# KiCad board AMLDC-2044B.kicad_pcb (continued)
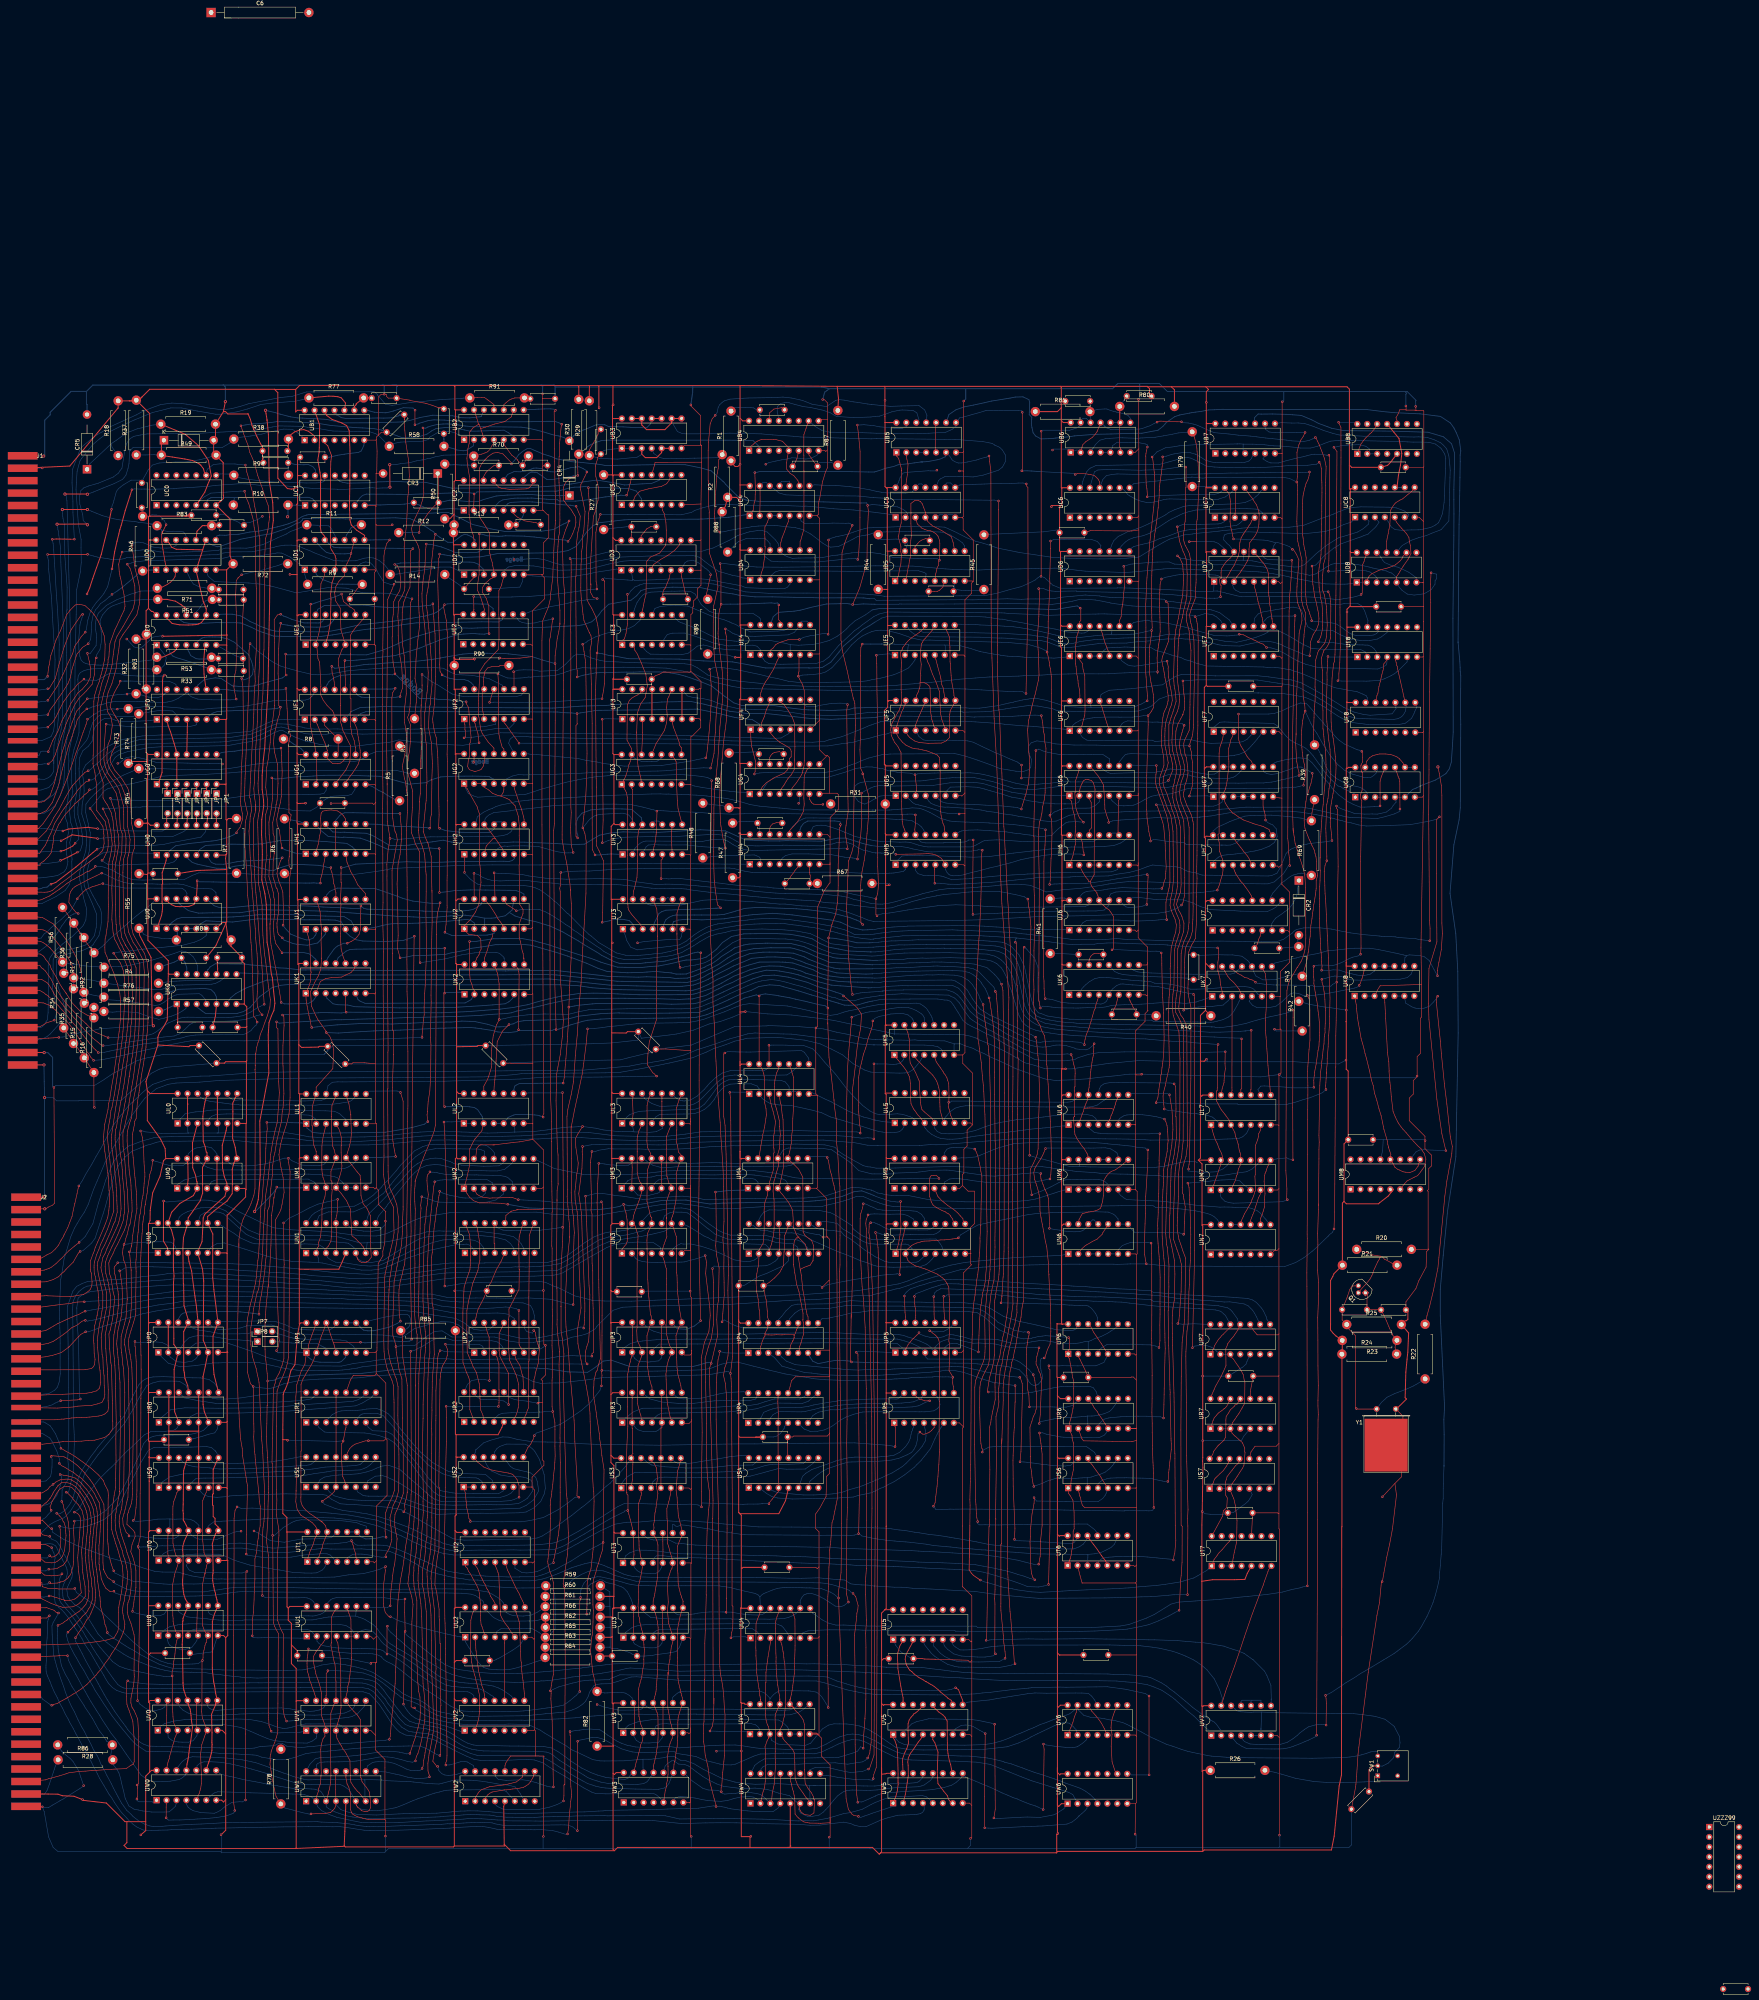
[diagram p0: board, top side]
## Routing (per net, layer and track width the routed paths; a pad name or vN(x,y) marks a point on that pad's centre or on a via; arc(x,y) is an arc through that point) (continued)
V0p1: length 52.8
  Bottom w0.15: UV0.1 110.25,66.46 112.06,67.59 113.47,67.97 113.9,68.09 114.47,68.24 117.16,68.59 118.49,68.59 125.5,68.53 130.39,68.75 133.49,68.67 136.73,68.1 138.26,67.61 140.83,66.65 142.06,66.4 142.57,66.31 143.52,66.44 144.75,66.72 146.89,67.29 148,67.49 149.38,67.48 155.12,67.52 156.49,67.44 157.37,66.76 UV1.5 UV1.6
V0p4: length 36.8
  Bottom w0.15: 150.71,65.8 150.8,64.83 150.84,64.34 ; 150.84,64.34 150.85,64.35 ; 150.84,64.34 150.72,63.84 149.82,63.17 149.63,63.07 148.43,62.6 147.52,62.62 144.81,62.67 143.89,62.73 142.96,62.88 139.97,63.24 138.34,63.73 135.99,64.72 133.97,65.61 131.53,66.57 129.71,66.92 126.69,67.37 125.59,67.34 121.91,67.36 121.37,67.39 119.42,67.38 118.08,66.79 UV0.4
V0p9: length 168.8
  Top w0.15: 153.84,81.16 153.79,81.1 v1(153.72,81.1) 153.72,81.03 153.65,80.97 153.65,80.75 153.3,80.4 153.3,74.86 153.25,74.81 UV1.12
  Bottom w0.15: v1(153.72,81.1) 155.28,81.1 ; UV4.8 275.75,71.71 275.61,71.54 275.45,71.36 274.18,70.55 271.86,69.83 269.38,69.78 267.98,69.79 266.79,69.78 255.94,69.91 254.61,69.92 247.99,69.98 247.97,70.01 239.66,69.92 237.42,69.93 229.08,70.02 226.43,69.91 221.93,69.54 219.32,69.38 217.07,69.06 215.32,68.96 212.67,68.77 210.91,68.71 206.41,68.53 204.04,68.42 203.25,68.46 192.49,68.38 190.15,68.38 188.43,68.46 187.36,68.49 184.48,68.94 183.53,69.15 181.72,69.67 180.17,70.46 179.4,70.9 177.96,71.89 176.63,72.61 175.18,73.22 173.61,73.66 172.38,74.33 171.54,75.01 171.54,75.03 170.71,75.56 170.2,75.98 169.54,76.57 168.5,77.39 167.74,78 166.62,78.77 165.98,79.19 164.85,79.78 162.78,80.5 161.31,80.71 158.78,80.95 157.49,81.02 155.34,81.11 ; UV0.9 122.95,72.24 123.01,72.04 123.18,71.78 123.41,71.51 123.69,71.35 124.3,71.08 125.04,70.98 125.55,70.98 126.47,71.05 129.64,71.32 131.7,71.46 132.75,71.49 139.66,71.54 141.97,71.58 143.14,71.46 144.19,71.34 144.7,71.21 146.56,70.92 147.72,70.84 149.08,70.71 150.19,70.77 151.59,71.07 152.6,71.59 152.94,72.05 UV1.12
V0p12: length 49.1
  Bottom w0.15: UV0.12 115.77,71.94 116.68,71.03 118.02,70.26 120.39,69.72 122.14,69.62 124.33,69.66 125.47,69.72 126.24,69.7 129.35,69.93 130.19,69.9 131.03,70.02 132.14,70.05 137.12,70.24 138.83,70.22 140.57,70.17 143.26,69.93 144.49,69.86 150.29,69.72 152.74,69.86 155.64,70.01 158.03,70.28 159.34,70.84 160.15,71.47 160.5,71.97 UV1.9
V3p1: length 48.4
  Bottom w0.15: UV4.6 UV4.5 271.38,66.21 271.22,66.64 271.06,66.83 270.04,67.77 269.75,68.03 268.86,68.51 260.78,68.64 237.39,68.65 236.31,68.56 233.01,68.04 232.56,67.92 230.51,67.16 229.2,65.86 UV3.1
V3p4: length 30.5
  Bottom w0.15: 260.57,67.58 259.33,67.5 241.55,67.44 240.3,67.55 238.55,67.46 237.6,67.04 UV3.4 ; 260.31,67.57 261.32,67.55 261.92,67.55 262.98,67.28 263.78,66.58 264,66.11 UV4.2
V3p9: length 193.2
  Top w0.15: 281.56,71.61 281.56,71.66 v1(281.58,71.67) 281.56,71.69 281.56,76.47 281.36,81.67 281.37,83.38 281.42,84.87 281.36,90.43 281.32,92.7 281.47,100.06 281.67,102.69 281.75,107.56 281.97,109.86 281.94,111.88 282.11,113.36 282.22,114.06 282.54,118.9 282.81,119.67 283.22,121.71 283.57,123.42 284.01,125.59 283.87,128.61 283.97,133.93 283.81,180.96 283.44,203.27 283.21,204.08 283.04,205.03 282.85,205.64 282.39,207.83 282.12,208.57 281.61,211.37 v1(281.31,212.18)
  Bottom w0.15: 243.55,75.64 243,75.33 242.46,74.87 242.25,74.69 241.98,74.44 241.84,74.27 241.71,73.63 241.9,72.84 ; 243.55,75.64 244.21,75.79 245.1,75.86 246.54,75.84 253.2,75.87 255.63,75.84 261.18,75.77 262.59,75.74 264.38,75.82 265.41,75.35 266.75,74.02 ; 243.55,75.64 243.43,75.61 ; UV4.12 266.66,73.93 266.75,74.02 ; 266.75,74.02 267.64,75.03 268.24,75.47 269.02,75.93 270.77,75.96 272.58,75.94 272.83,75.96 276.55,75.92 276.56,75.93 277.07,75.88 278.47,75.63 278.92,75.38 279.86,74.5 280.39,73.7 280.92,72.87 281.32,72.23 v1(281.58,71.67) ; UM4.8 276.4,211.92 276.98,212.51 277.04,212.45 280.77,212.45 v1(281.31,212.18)
V3p12: length 54.3
  Bottom w0.15: 222.49,72.39 v1(222.52,72.46) 224.24,71.83 228.06,71.02 232.49,71.05 233.73,71.23 234.15,71.51 234.28,72.12 UV3.12 235.14,71.97 235.65,71.6 236.76,71.15 240.07,71.24 244.36,71.25 251.3,71.29 253.2,71.31 260.86,71.19 262.92,71.12 265.56,71.09 268.87,71 269.62,70.98 271.77,71.08 273.06,71.55 273.48,71.9 UV4.9
V5p4: length 18.8
  Top w0.2: UW5.2 301.28,49.52 301.48,50.67 301.75,52.47 302.03,54.22 301.99,56.92 301.9,57.74 302.02,58.77 302.28,59.38 302.56,59.98 303.12,60.69 304.59,62.88 305.23,63.65 UV5.4
V5p7: length 63.1
  Top w0.15: v1(321.56,40.95) 321.49,49.03 321.51,52.14 v1(321.69,65.02)
  Bottom w0.15: v1(321.56,40.95) 322.49,40.89 323.45,40.86 331.35,41.24 331.76,41.23 333.4,41.29 335.16,41.4 336.43,41.43 337.57,41.52 342.57,41.92 343.85,42.43 345.07,43.36 345.45,43.78 345.66,43.99 345.58,43.92 346.39,44.63 347.18,45.32 347.67,45.91 UW6.3 ; UV5.7 314.11,66.28 315.58,67.13 316.71,67.21 317.74,67.13 318.6,66.83 320.29,65.86 320.89,65.55 v1(321.69,65.02)
V5p12: length 19.3
  Top w0.2: UW5.10 313.03,56.07 312.86,57.1 312.52,58.09 312.29,59.29 312.18,59.89 312.09,60.76 312,62.81 311.96,68.24 311.48,69.03 311.41,69.23 310.86,69.81 309.79,70.56 308.68,71.64 308.32,71.88 UV5.12
V5p13: length 19.3
  Top w0.2: UW5.15 300.61,57.1 300.54,58.54 301.14,60.21 301.66,61.23 301.89,61.93 302.06,62.61 301.96,65.92 301.97,67.53 302.25,68.51 302.73,69.2 303.21,69.71 303.46,70.08 303.88,70.31 304.31,70.65 305.13,71.43 UV5.13
V6p9: length 18.2
  Top w0.15: UV6.9 354.71,70.58 354.48,69.93 354.08,68.7 353.92,67.8 353.82,66.5 354.08,64.79 353.87,61.81 354.1,57.8 354.45,56.72 354.94,55.24 UW6.9
V6p12: length 9.2
  Top w0.15: UV6.12 348.64,71.21 348.92,70.74 350.02,69.5 350.72,68.62 351.39,67.66 352.08,66.39 UV6.5
V7p3: length 243.5
  Top w0.15: v1(407.69,257.66) 407.77,256.78 408.02,255.99 408.28,254.43 408.4,253.7 408.47,252.59 408.58,250.15 408.62,249.66 408.57,246.41 408.5,245.04 408.52,244.09 408.32,243.02 408.24,241.16 408.04,239.86 407.89,238.18 407.68,236.72 407.59,235.55 407.39,234 407.27,232.17 407.17,230.54 406.96,217.82 407.02,216.08 406.96,214.17 406.95,211.8 406.84,199.91 ; 406.45,64.47 v1(406.36,64.6) 406.63,119.7 406.54,129.07 406.63,133.91 406.73,145.15 406.79,146.58 406.7,148.7 406.7,150.15 406.79,153.84 406.7,158.91 406.68,165.53 406.64,171.22 406.89,177.31 406.85,180.25 406.6,183.42 406.58,185.92 406.69,189.99 406.63,192.69 406.82,198.98 406.84,200.3
  Bottom w0.15: 414.49,257.74 415.33,257.51 417.51,257.44 418.56,257.47 421,257.56 421.5,257.6 427.7,257.7 429.56,258.12 430.49,258.96 UK8.8 ; UV7.3 385.16,63.57 385.96,62.61 387.32,61.75 388.53,61.18 394.93,61.1 395.69,61.1 396.7,61.1 397.98,61.15 399.38,61.44 400.43,61.8 402.19,62.47 403.4,63 404.24,63.34 406.05,64.23 v1(406.36,64.6) ; 414.53,257.73 412.7,258.36 411.01,258.52 409.53,258.19 408.68,257.93 v1(407.69,257.66)
V7p11: length 9.2
  Bottom w0.15: 389.85,73.54 392.14,73.54 UV7.9 ; 389.85,73.54 389.6,73.29 UV7.10 ; 389.85,73.54 387.31,73.54 387.06,73.29 UV7.11
V7p12: length 73.8
  Top w0.25: SW1.2 420.76,56.78 419.74,55.76 C21.1
  Bottom w0.15: SW1.2 423.16,56.72 424.66,57.48 426.05,58.86 426.32,60.2 427.52,61.53 427.67,62.65 427.49,64.36 426.17,66.89 423.88,68.66 421.34,69.41 418.01,69.88 415.87,70.11 396.49,70.34 395.98,70.38 395,70.42 392.32,70.52 ; 392.32,70.52 392.14,65.92 392.14,66.43 ; 392.32,70.52 390.2,70.52 389.63,70.44 386.96,70.58 385.95,70.86 385.51,71.3 UV7.12 ; UV7.5 UV7.6 392.14,65.83
(no net): length 27.5
  Bottom w0.15: 123.59,312.75 120.32,312.81 117.86,312.89 109.8,313.09 107.33,313.84 105.49,314.25 103.65,314.54 102.18,314.28 100.33,312.81 v1(100.05,312.81) ; v1(126.79,312.65) 125.81,312.81 123.52,312.75
/C14p2: length 33.9
  Top w0.15: C14.2 222.79,397.46 222.79,396.95 222.08,395.54 220.62,393.03 R29.1
  Top w0.25: UB3.6 UB3.5 239,392.17 237.73,390.9 234.83,390.9 233.92,391.81 UB3.3
  Bottom w0.15: R29.1 223.14,390.72 226.12,390.58 227.71,390.52 232.71,391.01 233.71,391.58 234.01,392.08 UB3.3
/C29p1: length 7.5
  Bottom w0.2: C29.1 189.64,389.01 188.5,389 187.84,389 186.26,389.11 185.77,389.09 185.07,389.05 R50.2
/C47p1: length 7.9
  Bottom w0.15: C47.1 R43.2 401.55,267.5 CR2.2
/E0p4: length 10.6
  Bottom w0.2: 117.56,343.05 117.87,341.92 118.28,341.19 118.68,340.34 120.07,339.56 120.84,339.47 122.64,339.48 R53.1 124.31,339.6 125.88,339.6
/M3p4: length 30.1
  Bottom w0.15: UM3.4 237.08,205.26 237.46,205.85 238.24,206.43 240,206.79 242.36,206.8 244.13,206.82 244.83,206.79 254.4,206.71 258.52,206.81 261.05,206.85 261.74,206.86 262.85,206.6 263.62,205.88 263.62,205.63 263.61,205.63 UM4.2
/M3p9: length 25.7
  Bottom w0.15: UM4.12 265.8,211.07 265.04,210.68 265.03,210.67 263.75,210.59 262.55,210.57 260.1,210.64 258.47,210.65 254.41,210.76 253.8,210.8 251.84,210.87 248.14,210.72 244.06,210.63 243.55,210.7 242.81,211.04 241.77,211.92 UM3.9
/P6p13: length 81.5
  Bottom w0.15: 293.59,175.3 293.81,175.29 ; 293.59,175.3 292.39,175.33 287.35,175.61 286.85,175.53 282,174.8 275.33,174.7 273.66,174.7 272.25,174.38 270.74,172.97 269.69,171.6 268.8,170.67 UP4.13 ; 293.59,175.3 305.41,175.22 306.55,175.18 315.1,175.09 315.67,175.06 316.35,175.05 317.42,174.94 319.73,174.73 322.13,174.06 323.14,173.53 324.02,173 326.35,171.59 327.97,171.03 330.2,170.34 332.58,169.86 334.89,169.35 338.92,168.4 339.97,168.15 342.1,168.03 343.57,167.94 344.36,168.11 344.89,168.38 UP6.13
/Pad6p6: length 2.6
  Top w0.15: 273.98,302.51 273.98,302.6 v1(274,302.62)
  Bottom w0.15: v1(274,302.62) 274.23,302.85 UG4.6
/Pad14p14: length 6.1
  Top w0.15: C12.2 269.12,315.82 267.88,315.62 267.4,315.38 267.39,315.37 267.04,315.03 266.84,314.71 266.61,314.28 UG4.14
/Pad15p15: length 11.5
  Bottom w0.15: R68.2 262.25,315.73 263.11,315.75 263.83,315.71 C12.1 264.37,315.2 264.53,315.04 264.07,314.58 UG4.15
/R6p13: length 97.7
  Top w0.15: 332.96,167.52 332.86,166.75 332.74,166.47 332.47,164.89 332.4,164.35 332.23,163.29 332.18,161.81 332.18,157.69 332.33,156.49 332.56,152.79 332.84,151.53 332.97,148.47 v1(332.97,148.47)
  Bottom w0.15: UR6.13 345.47,150.11 343.89,148.8 342.37,148.41 341.27,148.38 339.31,148.44 338.81,148.46 v1(332.97,148.47) ; 332.67,167.57 v1(332.7,167.52) 331.79,167.64 331.41,167.55 330.58,167.76 329.12,168.03 328.06,168.6 327.05,168.86 326.05,169.49 325.13,169.98 324.83,170.15 324.4,170.63 323.32,171.43 322.61,171.95 321.43,172.84 320.05,173.5 319.25,173.62 318.07,173.75 316.13,173.83 315.6,173.85 313.98,173.85 312.47,173.91 303.16,174.06 300.74,174.06 300.6,174.2 291.45,174.2 286.49,174.42 285.06,174.16 283.69,173.97 281.41,173.53 280.51,173.63 274.85,173.41 274.06,173.13 273.04,172.4 271.63,170.89 UP4.12
/R50P2: length 55.9
  Top w0.15: CR3.1 182.07,386.59 181.95,381.79 181.89,381.04 181.88,380.91 C28.2 181.05,378.68 179.26,376.63 178.43,375.31 177.18,373.38 v1(177.04,371.78)
  Bottom w0.2: C28.2 183.2,379.64 184.85,380.04 189.9,379.69 192.25,379.71 193.55,380.23 196.73,381.1 199.62,381.34 205.7,381.48 208.76,381.24 210.31,381.24 212.33,381.2 CR4.1 ; R12.1 177.01,371.75 v1(177.04,371.78)
/S6p13: length 100.5
  Top w0.15: 330.64,155.91 331.13,154.47 331.2,152.63 330.82,137.11 v1(330.58,134.45)
  Bottom w0.15: v1(330.58,134.45) 331.58,134.4 332.38,134.31 333.38,134.17 334.68,134.04 336.61,133.73 337.39,133.69 338.88,133.47 341.47,133.4 342.16,133.36 342.74,133.48 343.56,133.57 344.39,134.4 US6.13 ; 330.42,156.09 v1(330.51,156.01) 328.47,156.22 327.21,156.39 325.24,156.71 321.72,157.41 319.64,157.91 315.98,158.66 314.63,158.74 313.16,158.72 313.09,158.74 309.84,158.63 308.83,158.63 307.89,158.53 304.36,158.37 303.17,158.32 298.58,158.16 297.9,158.13 297.44,158.07 291.05,157.97 ; 291.05,157.97 289.27,157.87 286.4,157.97 273.17,159.24 270.88,160.15 269.72,161.16 UP4.4 ; 291.05,157.97 291.09,157.97
/U3p12: length 230.1
  Top w0.15: v1(287.58,247.99) 287.5,246.88 286.74,238.53 286.47,234.27 286.22,223.46 286.26,214.9 286.38,145.31 286.3,139.1 286.49,122.73 286.36,119.68 286.21,106.89 286.23,100.71 v1(286.72,98.6) 286.72,98.56
  Bottom w0.15: UK5.11 306.16,247.02 306.08,247.95 305.91,248.27 305.59,248.64 305.36,248.87 304.07,249.69 302.71,250.27 302.02,250.42 300.36,250.47 299.59,250.47 297.73,250.22 296.63,250.03 295.32,249.84 294.09,249.57 292.04,249.35 291.09,249.14 289.9,248.81 289.32,248.69 288.46,248.33 v1(287.58,247.99) ; v1(286.72,98.6) 285.62,97.76 284.75,97.41 283.34,97.59 281.83,98.62 280.86,99.22 280.65,99.39 279.64,99.91 278.72,100.37 277.33,100.81 276.57,100.84 276.11,100.73 275.4,100.47 274.89,99.89 274.66,99.46 274.39,98.91 274.41,98.56 274.41,97.04 273.74,96.09 273.45,95.8 272.75,95.27 271.51,94.74 270.42,94.44 269.08,94.35 266.55,94.24 265.19,94.28 256.85,94.28 256.78,94.35 249.01,94.28 247.05,94.29 241.98,94.28 241.76,94.27 239.35,94.41 238.09,94.51 236.17,94.73 234.3,96.18 UU3.12
/UG4A: length 5.7
  Top w0.15: 280.39,302.45 280.28,302.35 v1(280.2,302.35) 280.2,302.26 279.52,302.28 277.87,302.4 277.35,302.75 277.32,302.75 277.15,303.09 276.85,303.61 276.77,303.69 UG4.7
A77: length 63.9
  Top w0.15: 88.78,255.3 R35.2 ; 87.95,262.2 87.36,263.11 87,263.64 85.43,265.94 83.93,267.86 83.09,268.88 82.31,269.53 81.93,269.85 81.11,270.25 80.32,270.43 76.05,270.43 J1.77 ; 87.9,262.28 88.41,261.03 88.58,260.03 88.79,258.06 R36.1
  Bottom w0.15: R35.2 88.78,255.3 R36.1 91.14,257.79 92.15,257.59 93.43,257.47 94.69,257.18 R4.1 99.75,256.31 102.37,255.87 107.5,255.33 108.98,255.06 111.26,255.13 115.09,256.18 116.51,256.2 122.7,256.35 124.08,256.42 125.07,256.66 126.17,257.23 127.16,257.95 127.41,258.17 UK0.9
B1p2: length 12.5
  Top w0.25: UB1.2 150.32,396.41 148.73,397.65 147.58,398.05 146.48,397.95 145.18,397.45 143.65,396.32 R38.2 143.65,392.87 C45.2
B1p9: length 6.4
  Top w0.25: UB1.9 160.48,403.97 160.95,404.43 160.97,404.67 R77.2 164.88,406.15 C16.1
B1p11: length 107.5
  Top w0.15: 173.29,401.93 173.29,400.57 ; 173.29,400.57 173.29,398.84 173.38,397.95 173.61,394.9 174.37,389.98 174.54,386.17 174.39,384.8 174.29,381.99 174.15,380.95 173.93,376.27 173.87,374.56 173.8,373.43 173.52,371.32 173.22,368.17 173.26,366.6 173.38,364.34 173.39,362.98 173.39,357.87 173.27,356.93 172.78,355.78 171.84,354.14 171.6,350.32 171.7,348.88 171.7,345.45 172.13,340.17 172.59,337.58 172.79,333.96 172.76,331.97 172.39,330.87 v1(172.18,329.88) ; 173.29,400.57 173.24,400.62 C2.2
  Bottom w0.2: 171.79,401.59 172.09,401.88 C2.2 ; 171.79,401.59 169.99,401.06 167.95,401 166.45,401.03 162.01,400.95 159.57,400.86 158.3,400.9 157.17,401.12 156.04,401.8 UB1.11 ; 171.79,401.59 172.19,401.7 173.29,402.21 173.29,401.93 ; UF1.9 161.08,330.5 161.43,330.17 162.08,329.82 162.27,329.73 163.6,329.64 170.79,329.63 v1(172.18,329.88)
B1p12: length 312.2
  Top w0.15: v1(169.51,369.89) 168.78,369.02 168.24,367.16 168.04,365.77 168.04,364.58 167.89,355.91 167.92,353.5 167.75,342.28 167.81,341.37 167.7,339.33 167.72,337.92 167.73,332.17 167.62,327.78 167.72,309.89 167.75,308.88 167.8,305.73 167.7,301.39 167.81,277.23 167.72,273.44 167.87,267.74 167.89,264.65 167.84,256.15 167.89,249.7 167.89,243.86 167.92,241.96 168.06,212.67 167.93,207.79 168.29,205.22 168.63,203.52 169.74,200.94 170.47,199.5 170.64,192.9 170.31,190.91 169.83,188.9 169.2,186.31 168.9,184.97 168.32,182.25 168.18,180.49 168.01,165.47 168.07,162.65 168.26,160.87 168.88,158.23 169.43,156.75 170.1,155.24 170.45,154.02 170.6,150.41 170.63,149.66 170.74,127.2 170.25,125.7 169.16,123.34 168.5,121.42 168.34,116.76 v1(168.6,115.15)
  Top w0.25: UD1.8 163.11,371.04 161.1,372.35 159.71,373.7 159.37,374.99 159.23,378.51 159.32,383.67 159.37,392.6 159.16,397.81 158.53,399.05 157.31,399.75 154.79,400.67 153.41,401.67 UB1.12
  Bottom w0.2: UD1.8 164.67,369.87 165.47,369.9 169.45,369.95 v1(169.51,369.89) ; UT1.10 UT1.9 162.09,115.3 163.41,114.74 164.5,114.78 165.81,114.84 167.78,115.33 v1(168.6,115.15)
B1p13: length 270.8
  Top w0.15: 173.71,333.63 173.75,330.55 173.24,326.17 173.25,324.01 173.33,323.23 173.65,321.35 173.85,319.7 173.63,317.05 173.4,315.17 172.73,312.01 173.31,308.87 173.55,308.09 173.81,306.05 174.03,304.8 174.07,303.63 174.02,300.83 174.03,300.27 173.8,295.73 173.88,289.67 173.98,281.2 173.98,280.47 174.02,274.31 174.06,273.47 173.94,267.64 173.95,265.53 173.92,262.74 173.97,258.81 173.94,254.61 174.07,251.36 174.07,247.89 174.09,247.55 174.09,242.96 174.07,242.48 174.17,239.23 174.17,225.34 174.15,224.63 174.08,221.42 174.08,210.05 173.88,195.11 173.93,192.19 173.32,184.88 172.97,183.62 172.76,182.45 172.22,180.54 171.9,178.44 171.86,176.86 171.96,171.86 v1(172.26,170.34) ; v1(175.45,367.66) 174.88,367.09 174.7,357.85 173.89,356.06 173.13,354.05 172.87,352.51 172.72,351.34 172.72,349.6 172.58,348.11 172.77,343.37 173.22,340.3 173.71,333.5
  Top w0.25: UB1.13 151.62,399.25 151.53,393.4 151.48,392.27 151.16,390.31 151.74,387 151.97,385.21 151.85,385.09 151.85,373.45 151.76,373.37 152,371.86 152.92,370.8 UD1.12
  Bottom w0.2: v1(172.26,170.34) 171.47,169.78 169.34,168.82 166.77,168.21 165.48,167.92 163.91,167.9 162.87,168.07 162.05,168.69 161.98,168.89 UP1.9 UP1.10 ; v1(175.45,367.66) 175.04,367.66 171.81,367.74 156.61,367.88 155.17,368.03 154.37,368.6 UD1.12
B2p2: length 13
  Bottom w0.2: 183.38,395.62 R58.2 185.92,393.17 186.62,392.87 188.31,392.65 189.16,392.77 190.9,393.92 UB2.2 ; 183.38,395.62 183.38,395.76 ; 183.38,395.62 183.35,395.65 C3.1
B2p5: length 11.3
  Top w0.15: UB2.5 198.78,394.15 199.1,393.72 199.64,392.95 200.69,391.55 201.2,391.18 202.18,390.35 202.24,390.35 202.24,390.14 C13.1 R70.2
B2p6: length 389.4
  Top w0.15: 138.84,375.84 138.63,374.23 138.35,372.13 137.82,370.33 137.56,365.44 137.64,363.26 137.51,361.62 137.4,341.98 137.29,340.75 137.2,334.38 137.2,333.49 137.12,330.59 136.9,328.01 136.82,326.47 136.63,322.3 136.59,320.39 136.41,318.55 136.39,317.12 135.97,309.14 135.87,307.75 135.93,305.95 136.31,303.62 136.21,300.75 135.96,299.38 135.75,297.71 135.81,296.42 135.97,289.44 135.97,288.27 135.93,285.53 135.92,284.67 135.97,282.25 136.39,280.11 136.92,276.54 136.91,275.75 137.12,268.84 137.26,267.11 137.52,264.25 137.86,261.99 138.55,255.8 138.63,255.33 139.02,252.44 138.91,250.58 138.25,248.34 137.65,246.73 136.96,244.79 136.45,243.62 136.25,242.61 135.87,241.51 135.49,240.16 135.28,238.56 ; 138.87,375.52 138.47,378.67 137.8,380.5 136.98,383.06 135.81,386.29 134.8,389.95 133.77,392.27 133.33,394.03 132.62,395.84 131.88,397.86 v1(131.51,399.04) ; 130.97,190.2 130.99,187.42 130.95,183.47 130.95,179.1 130.91,179.06 130.73,172.4 130.63,167.58 130.59,156.19 130.77,149.72 131.03,147.14 131.07,145.37 131.41,140.33 131.84,137.81 131.9,136.12 132.75,130.97 132.96,129.49 133.21,128.29 132.87,115.79 v1(132.85,110.88) ; 135.3,238.78 135.18,237.55 135.14,235.64 ; 130.98,189.44 130.99,191.25 131.45,194.36 132.06,196.43 133.51,199.11 134.07,200.32 134.82,202.54 135.1,204.13 135.18,233.68 135.1,234.67 135.14,234.64 135.18,235.8
  Bottom w0.15: v1(132.85,110.88) 133.19,110.58 136.65,110.09 137.86,110.02 140.37,109.96 142.2,109.93 144.35,110.09 147.58,110.64 150.12,110.83 151.01,110.88 152.19,110.98 153.49,110.94 154.29,110.64 154.74,110.22 155.83,108.9 UT1.4
  Bottom w0.2: UB2.6 201.23,396.28 199.87,397.25 198.73,397.91 192.09,397.68 190.06,397.67 188.64,397.97 187.23,398.27 185.54,398.64 183.49,398.57 181.34,398.33 180.31,397.77 179.04,396.9 176.89,396.21 174.56,395.94 172.65,396.02 171.38,396.48 167.41,397.95 165.33,398.34 162.63,398.49 160.38,398.59 154.37,399.13 150.93,399.7 144.78,400.05 140.66,400.09 139.39,399.9 136.15,399.58 134.47,399.54 132.79,399.28 v1(131.51,399.04)
B2p8: length 203.4
  Top w0.15: v1(208.73,222.47) 208.54,222.67 208.9,223.36 208.43,297.11 208.42,344.12 208.51,346.95 208.57,348.43 208.63,349.25 209.35,351.02 210.07,352.75 210.54,354.68 210.67,356.28 211.2,360.35 211.26,362.72 211.43,365.47 211.45,367.22 211.82,373.96 211.86,374.77 211.93,374.87 211.93,381 211.8,381.84 211.62,389.98 211.68,393.13 211.54,402.65 v1(211.89,402.99)
  Bottom w0.2: 207.64,222.9 207.48,222.92 ; 207.48,222.92 207.93,222.78 v1(208.73,222.47) ; 207.48,222.92 206.57,223.03 204.83,223.15 201.73,223.16 201.08,222.96 199.74,222.36 199.66,222.17 199.43,221.95 199.33,221.81 UL2.5 UL2.4 ; v1(211.89,402.99) 211.89,403.22 210.62,403.37 209.1,403.35 207.48,403.28 206.72,403.24 205.14,403.19 UB2.8
B2p10: length 8.7
  Top w0.15: UB2.10 198.69,404.4 199.28,404.97 200.09,405.63 200.7,405.9 201.5,406.15 201.5,406.15 R91.2 204.15,405.95 C30.1
B3p4: length 106.4
  Top w0.15: v1(253.86,371.89) 253.09,372.53 252.69,373.77 252.55,375.89 252.52,376.59 252.78,379.95 252.75,381.54 252.85,382.56 252.98,384.78 253.04,386.08 253.23,386.95 253.46,388.21 253.58,388.7 253.58,390.35 253.98,390.75
  Bottom w0.15: v1(253.86,371.89) 255.14,372 255.99,372.25 258.5,372.7 259.17,372.84 260.59,372.99 261.98,373.25 263.71,373.43 265.9,373.52 267.82,373.6 273.14,373.02 274.89,372.57 277.12,371.39 280.28,368.97 281.5,368.25 282.15,368.04 284.14,368.2 285.1,368.64 286.26,369.26 287.9,370.1 289.11,370.77 291.15,371.11 291.93,371.25 292.74,371.52 293.54,371.88 306.12,372.11 308.38,371.97 310.31,371.9 311.22,371.74 312.71,371.18 314.77,369.93 315.87,369.15 316.44,368.32 UD5.9 ; UB3.4 237.02,391.94 238.5,390.93 239.41,390.73 241.53,390.75 242.79,390.68 247.43,390.77 247.44,390.76 253.41,390.9 R2.2
B3p8: length 128.4
  Top w0.25: UB3.8 UB3.9 241.54,399.76 239.83,398.05 235.13,398.05 233.92,399.26 UB3.12 UB3.13
  Bottom w0.15: 324.1,394.12 325.41,393.51 326.1,392.82 326.82,391.59 326.85,389.92 326.1,388.5 325.06,387.69 321.12,386.43 318.63,385.97 314.98,386.12 311.38,386.05 310.2,385.46 309.73,385.02 309.47,384.25 UC5.10 ; 293.84,395.77 308.85,395.6 311.24,395.55 313.97,395.59 315.48,395.45 321.08,395 323.45,394.53 324.22,394.05 ; 293.84,395.77 292.61,395.7 274.6,396.17 272.63,396.37 267.3,396.71 264.47,396.97 256.43,397.15 251.78,397 245.24,396.97 244.22,397.07 243.05,397.56 241.96,399.41 UB3.9 ; 293.84,395.77 294.05,395.78